# KiCad board jetson-nano-baseboard.kicad_pcb (continued)
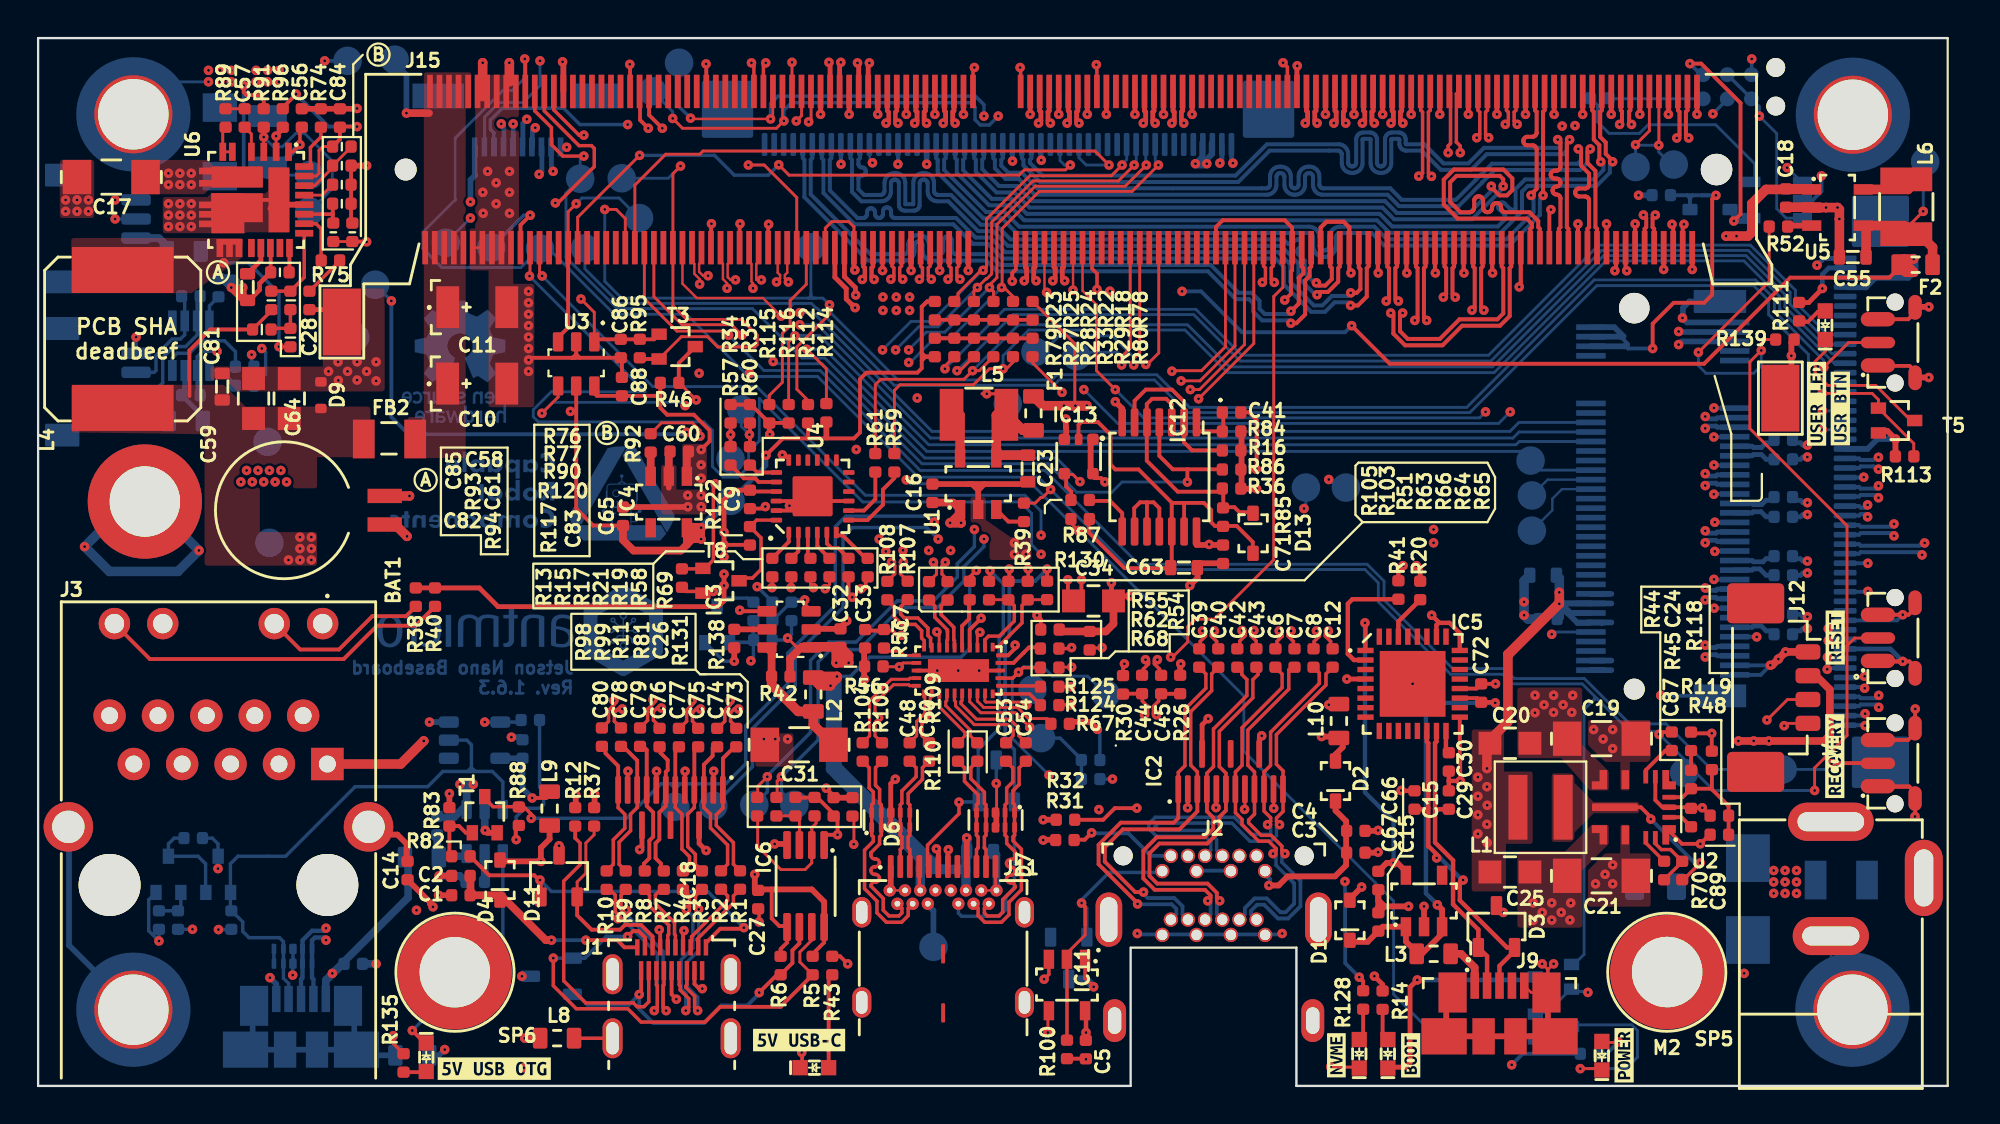
[diagram p0: board, top side]
## Placement (name value [footprint] x y rotation side) (continued)
R135  R_470R_0402  [R_0402_1005Metric]  19.18 1.21 270 top
R136  R_0R_0402  [R_0402_1005Metric]  20.94 13.67 270 bottom
R137  R_10k_0402  [R_0402_1005Metric]  38.54 24.91 90 bottom
R138  R_10k_0402  [R_0402_1005Metric]  36.54 23.48 270 top
R139  R_100k_0402  [R_0402_1005Metric]  91.68 39.18 0 top
REC1  -  [SW_TL3340AF160QG_SMD]  97.68 16.93 90 top
RST1  -  [SW_TL3340AF160QG_SMD]  97.68 23.51 90 top
SP1  -  [Spacer_Drill3.7mm_H6mm_9774060151R]  95.25 50.98 0 bottom
SP2  -  [Spacer_Drill3.7mm_H6mm_9774060151R]  95.23 4 0 bottom
SP3  -  [Spacer_Drill3.7mm_H6mm_9774060151R]  5 51 0 bottom
SP4  -  [Spacer_Drill3.7mm_H6mm_9774060151R]  5 4 0 bottom
SP5  -  [Spacer_Drill3.7mm_H6mm_9774060151R]  85.5 5.98 0 top
SP6  -  [Spacer_Drill3.7mm_H6mm_9774060151R]  21.87 5.97 0 top
SP7  -  [Spacer_Drill3.7mm_H4mm_9774040151R]  5.6 30.67 0 bottom
T1  BSS138PW  [SC70-3]  23.44 14.24 90 top
T2  BSS138PW  [SC70-3]  79.53 5.73 180 bottom
T3  BSS138PW  [SC70-3]  33.54 38.81 0 top
T4  BSS138PW  [SC70-3]  79.53 3.12 0 bottom
T5  BSS138PW  [SC70-3]  97.54 34.93 0 top
T6  BSS138PW  [SC70-3]  6.84 11.11 90 bottom
T7  BSS138PW  [SC70-3]  35.64 24.22 90 bottom
T8  BSS138PW  [SC70-3]  35.84 26.52 0 top
T9  BSS138PW  [SC70-3]  9.45 11.11 90 bottom
TP1  TP_1.5mm_SMD  [TP_SMD_1.5mm]  36.34 32.91 0 bottom
TP2  TP_1.5mm_SMD  [TP_SMD_1.5mm]  78.33 32.82 0 bottom
TP3  TP_1.5mm_SMD  [TP_SMD_1.5mm]  85.85 48.36 0 bottom
TP4  TP_1.5mm_SMD  [TP_SMD_1.5mm]  83.84 48.23 0 bottom
TP5  TP_1.5mm_SMD  [TP_SMD_1.5mm]  50.89 35.81 0 bottom
TP6  TP_1.5mm_SMD  [TP_SMD_1.5mm]  54.51 38.3 0 bottom
TP7  TP_1.5mm_SMD  [TP_SMD_1.5mm]  78.4 30.99 0 bottom
TP8  TP_1.5mm_SMD  [TP_SMD_1.5mm]  99.04 48.51 0 bottom
TP9  TP_1.5mm_SMD  [TP_SMD_1.5mm]  52.35 38.53 0 bottom
TP10  TP_1.5mm_SMD  [TP_SMD_1.5mm]  36.9 35.51 0 bottom
TP11  TP_1.5mm_SMD  [TP_SMD_1.5mm]  14.24 47.81 0 bottom
TP12  TP_1.5mm_SMD  [TP_SMD_1.5mm]  16.64 39.31 0 bottom
TP13  TP_1.5mm_SMD  [TP_SMD_1.5mm]  31.54 45.56 0 bottom
TP14  TP_1.5mm_SMD  [TP_SMD_1.5mm]  30.63 47.64 0 bottom
TP15  TP_1.5mm_SMD  [TP_SMD_1.5mm]  14.24 45.91 0 bottom
TP16  TP_1.5mm_SMD  [TP_SMD_1.5mm]  12.04 33.81 0 bottom
TP17  TP_1.5mm_SMD  [TP_SMD_1.5mm]  16.24 53.81 0 bottom
TP18  TP_1.5mm_SMD  [TP_SMD_1.5mm]  56.04 20.55 0 bottom
TP19  TP_1.5mm_SMD  [TP_SMD_1.5mm]  46.99 7.3 0 bottom
TP20  TP_1.5mm_SMD  [TP_SMD_1.5mm]  78.4 29.14 0 bottom
TP21  TP_1.5mm_SMD  [TP_SMD_1.5mm]  52.64 18.26 0 bottom
TP23  TP_1.5mm_SMD  [TP_SMD_1.5mm]  32.24 52.21 0 bottom
TP24  TP_1.5mm_SMD  [TP_SMD_1.5mm]  33.64 53.71 0 bottom
TP25  TP_1.5mm_SMD  [TP_SMD_1.5mm]  33.44 14.66 0 bottom
TP26  TP_1.5mm_SMD  [TP_SMD_1.5mm]  35.44 14.71 0 bottom
TP27  TP_1.5mm_SMD  [TP_SMD_1.5mm]  28.45 47.62 0 bottom
TP28  TP_1.5mm_SMD  [TP_SMD_1.5mm]  21.39 44.26 0 bottom
TP29  TP_1.5mm_SMD  [TP_SMD_1.5mm]  26.34 43.96 0 bottom
TP30  -  [Tag-Connect_TC2030-IDC-NL_2x3_P1.27mm]  87.39 53.08 0 bottom
TP31  TP_1.5mm_SMD  [TP_SMD_1.5mm]  23.79 44.01 0 bottom
TP32  TP_1.5mm_SMD  [TP_SMD_1.5mm]  52.19 20.81 0 bottom
TP33  TP_1.5mm_SMD  [TP_SMD_1.5mm]  37.59 14.76 0 bottom
TP34  TP_1.5mm_SMD  [TP_SMD_1.5mm]  39.69 14.76 0 bottom
TP35  TP_1.5mm_SMD  [TP_SMD_1.5mm]  28.7 43.97 0 bottom
TP36  TP_1.5mm_SMD  [TP_SMD_1.5mm]  40.56 44.02 0 bottom
TP37  TP_1.5mm_SMD  [TP_SMD_1.5mm]  86.39 16.44 0 bottom
TP38  TP_1.5mm_SMD  [TP_SMD_1.5mm]  18.72 53.87 0 bottom
TP39  TP_1.5mm_SMD  [TP_SMD_1.5mm]  91.56 16.61 0 bottom
TP40  TP_1.5mm_SMD  [TP_SMD_1.5mm]  17.69 42.06 0 bottom
TP41  TP_1.5mm_SMD  [TP_SMD_1.5mm]  12.14 28.51 0 bottom
TP42  TP_1.5mm_SMD  [TP_SMD_1.5mm]  66.54 31.41 0 bottom
TP44  TP_1.5mm_SMD  [TP_SMD_1.5mm]  68.64 31.41 0 bottom
TP47  TP_1.5mm_SMD  [TP_SMD_1.5mm]  36.34 30.71 0 bottom
U1  LM3671MF-3.3_SOT  [SOT-23-5]  49.34 31.61 90 top
U2  LM62440-Q1  [VQFN-HR-14_3.5x4mm]  83.75 14.63 180 top
U3  SN74LXC1T45DBVR  [SOT-23-6]  28.24 37.96 180 top
U4  PCA9547_VQFN  [VQFN-24-1EP_3.8x3.8x1.0mm_P0.5mm]  40.65 30.95 90 top
U5  LM3671MF-3.3_SOT  [SOT-23-5]  94.44 46.11 0 top
U6  SIC477ED-T1-GE3  [SIC47XED-T1-GE3]  11.44 46.51 270 top
U7  MAX3051EKA  [SOT-23-8]  8.02 38.85 90 bottom
U8  74LVC1G07_SOT-753  [SOT-753]  22.91 18.15 90 bottom
USER1  LED_G_0603_LG_L29K-G2J1-24-Z  [LED_0603_1608Metric_G]  93.8 39.93 270 top
USR1  -  [SW_TL3340AF160QG_SMD]  97.68 39.02 90 top

## Library data of the parts
BAT1 = -: Author: Antmicro; License: Apache-2.0; MPN: MS621FE-FL11E; Manufacturer: Seiko Instruments; Field9: License: Apache-2.0; Field10: Author: Antmicro
BOOT1 USER1 = -: Author: Antmicro; License: Apache-2.0; MPN: LG L29K-G2J1-24-Z; Manufacturer: OSRAM; Field8: License: Apache-2.0; Field9: Author: Antmicro
C1 = -: Author: Antmicro; License: Apache-2.0; MPN: GRM155R61A475MEAAD; Manufacturer: Murata; Val: 4u7; Field12: Author: Antmicro; Field13: License: Apache-2.0
C2 C62 = -: Author: Antmicro; License: Apache-2.0; MPN: GRM155R61A475MEAAD; Manufacturer: Murata; Val: 4u7; Field11: Author: Antmicro; Field13: License: Apache-2.0
C3 = -: Author: Antmicro; License: Apache-2.0; MPN: GRM155R61A475MEAAD; Manufacturer: Murata; Val: 4u7; Field11: Author: Antmicro; Field12: License: Apache-2.0
C4 = -: Author: Antmicro; License: Apache-2.0; MPN: GRM155R61A475MEAAD; Manufacturer: Murata; Val: 4u7; Field11: License: Apache-2.0; Field12: Author: Antmicro
C5 C9 C26 C33 C38 C48 C49 C51 C68 C71 C78 C88 C90 = -: Author: Antmicro; Dielectric: X5R; License: Apache-2.0; MPN: GRM155R61H104KE14D; Manufacturer: Murata; Val: 100n; Voltage: 50V; Field11: Author: Antmicro; Field12: License: Apache-2.0
C6 C7 C30 C36 C43 C45 C52 C53 C74 C79 = -: Author: Antmicro; Dielectric: X5R; License: Apache-2.0; MPN: GRM155R61H104KE14D; Manufacturer: Murata; Val: 100n; Voltage: 50V; Field12: License: Apache-2.0; Field13: Author: Antmicro
C8 C13 C50 C86 C89 = -: Author: Antmicro; Dielectric: X5R; License: Apache-2.0; MPN: GRM155R61H104KE14D; Manufacturer: Murata; Val: 100n; Voltage: 50V; Field11: License: Apache-2.0; Field12: Author: Antmicro
C10 = -: Author: Antmicro; License: Apache-2.0; MPN: T520B337M006ATE040; Manufacturer: KEMET; Val: 330u; Voltage: 6.3V; Field11: Author: Antmicro; Field12: License: Apache-2.0
C11 = -: Author: Antmicro; License: Apache-2.0; MPN: T520B337M006ATE040; Manufacturer: KEMET; Val: 330u; Voltage: 6.3V; Field11: License: Apache-2.0; Field12: Author: Antmicro
C12 C42 C44 C54 C70 = -: Author: Antmicro; Dielectric: X5R; License: Apache-2.0; MPN: GRM155R61H104KE14D; Manufacturer: Murata; Val: 100n; Voltage: 50V; Field11: License: Apache-2.0; Field13: Author: Antmicro
C14 = -: Author: Antmicro; Dielectric: C0G; License: Apache-2.0; MPN: GCM1555C1H101JA16D; Manufacturer: Murata; Val: 100p; Voltage: 50V; Field11: Author: Antmicro; Field12: License: Apache-2.0
C15 = -: Author: Antmicro; Dielectric: C0G; License: Apache-2.0; MPN: C0402C470J5GACTU; Manufacturer: KEMET; Val: 47p; Field11: Author: Antmicro; Field12: License: Apache-2.0
C16 = -: Author: Antmicro; License: Apache-2.0; MPN: C1005X5R1A225K050BC; Manufacturer: TDK; Val: 2u2; Field11: Author: Antmicro; Field12: License: Apache-2.0
C17 = -: Author: Antmicro; License: Apache-2.0; MPN: C3216X7R1H106K160AE; Manufacturer: TDK; Val: 10u; Voltage: 50V; Field11: Author: Antmicro; Field13: License: Apache-2.0
C18 = -: Author: Antmicro; License: Apache-2.0; MPN: C1005X5R1A225K050BC; Manufacturer: TDK; Val: 2u2; Field12: License: Apache-2.0; Field13: Author: Antmicro
C19 = -: Author: Antmicro; License: Apache-2.0; MPN: C3216X7R1H106K160AE; Manufacturer: TDK; Val: 10u; Voltage: 50V; Field11: License: Apache-2.0; Field12: Author: Antmicro
C20 = -: Author: Antmicro; License: Apache-2.0; MPN: C0805C476M9PACTU; Manufacturer: KEMET; Val: 47u; Field11: License: Apache-2.0; Field13: Author: Antmicro
C21 = -: Author: Antmicro; License: Apache-2.0; MPN: C3216X7R1H106K160AE; Manufacturer: TDK; Val: 10u; Voltage: 50V; Field12: License: Apache-2.0; Field13: Author: Antmicro
C22 = -: Author: Antmicro; License: Apache-2.0; MPN: C3216X7R1H106K160AE; Manufacturer: TDK; Val: 10u; Voltage: 50V; Field11: License: Apache-2.0; Field13: Author: Antmicro
C23 C35 = -: Author: Antmicro; License: Apache-2.0; MPN: GRM188R61A106KE69D; Manufacturer: Murata; Val: 10u; Field11: Author: Antmicro; Field13: License: Apache-2.0
C24 = -: Author: Antmicro; DNP: DNP; License: Apache-2.0; MPN: 0402N6R0D500CT; Manufacturer: Walsin; Val: 6p; Field12: Author: Antmicro; Field13: License: Apache-2.0
C25 = -: Author: Antmicro; License: Apache-2.0; MPN: 160R15X106KV4E; Manufacturer: Johanson Technology; Val: 10u; Field11: License: Apache-2.0; Field13: Author: Antmicro
C27 C46 C69 C72 C76 C77 C80 C83 = -: Author: Antmicro; Dielectric: X5R; License: Apache-2.0; MPN: GRM155R61H104KE14D; Manufacturer: Murata; Val: 100n; Voltage: 50V; Field12: Author: Antmicro; Field13: License: Apache-2.0
C28 = -: Author: Antmicro; DNP: DNP; License: Apache-2.0; MPN: C0402C271J3GAC7867; Manufacturer: KEMET; Val: 270p; Voltage: 25V; Field12: License: Apache-2.0; Field13: Author: Antmicro
C29 = -: Author: Antmicro; Dielectric: C0G; License: Apache-2.0; MPN: C0402C470J5GACTU; Manufacturer: KEMET; Val: 47p; Field11: License: Apache-2.0; Field13: Author: Antmicro
C31 = -: Author: Antmicro; License: Apache-2.0; MPN: GRM31CR60J107MEA8K; Manufacturer: Murata; Val: 100u; Field12: License: Apache-2.0; Field13: Author: Antmicro
C32 = -: Author: Antmicro; License: Apache-2.0; MPN: CC0402MRX5R5BB106; Manufacturer: YAGEO; Val: 10u; Field11: License: Apache-2.0; Field12: Author: Antmicro
C34 = -: Author: Antmicro; License: Apache-2.0; MPN: C0805C476M9PACTU; Manufacturer: KEMET; Val: 47u; Field12: Author: Antmicro; Field13: License: Apache-2.0
C37 C39 C40 C57 C73 C75 = -: Author: Antmicro; Dielectric: X5R; License: Apache-2.0; MPN: GRM155R61H104KE14D; Manufacturer: Murata; Val: 100n; Voltage: 50V; Field11: Author: Antmicro; Field13: License: Apache-2.0
C41 = -: Author: Antmicro; License: Apache-2.0; MPN: GRM155R61H474KE11D; Manufacturer: Murata; Val: 47n; Field11: License: Apache-2.0; Field13: Author: Antmicro
C47 C55 C63 = -: Author: Antmicro; License: Apache-2.0; MPN: GRM188R61A106KE69D; Manufacturer: Murata; Val: 10u; Field12: Author: Antmicro; Field13: License: Apache-2.0
C56 = -: Author: Antmicro; License: Apache-2.0; MPN: GRM155R71H104KE14D; Manufacturer: Murata; Val: 100n; Voltage: 50V; Field11: License: Apache-2.0; Field12: Author: Antmicro
C58 = -: Author: Antmicro; License: Apache-2.0; MPN: GCM155R71E333KA55D; Manufacturer: Murata; Val: 33n; Field12: Author: Antmicro; Field13: License: Apache-2.0
C59 = -: Author: Antmicro; License: Apache-2.0; MPN: C0805C476M9PACTU; Manufacturer: KEMET; Val: 47u; Field11: Author: Antmicro; Field12: License: Apache-2.0
C60 = -: Author: Antmicro; License: Apache-2.0; MPN: C1005X5R1A225K050BC; Manufacturer: TDK; Val: 2u2; Field11: Author: Antmicro; Field13: License: Apache-2.0
C61 = -: Author: Antmicro; DNP: DNP; License: Apache-2.0; MPN: GCM155R71H122KA37D; Manufacturer: Murata; Val: 1n2; Voltage: 50V; Field12: License: Apache-2.0; Field14: Author: Antmicro
C64 = -: Author: Antmicro; License: Apache-2.0; MPN: C0805C476M9PACTU; Manufacturer: KEMET; Val: 47u; Field12: License: Apache-2.0; Field13: Author: Antmicro
C65 C66 C84 = -: Author: Antmicro; License: Apache-2.0; MPN: C1005X6S1A105K050BC; Manufacturer: TDK; Val: 1u; Field11: License: Apache-2.0; Field12: Author: Antmicro
C67 = -: Author: Antmicro; License: Apache-2.0; MPN: C1005X5R1A225K050BC; Manufacturer: TDK; Val: 2u2; Field12: Author: Antmicro; Field13: License: Apache-2.0
C81 = -: Author: Antmicro; License: Apache-2.0; MPN: GRM188R61A106KE69D; Manufacturer: Murata; Val: 10u; Field11: License: Apache-2.0; Field12: Author: Antmicro
C82 = -: Author: Antmicro; DNP: DNP; License: Apache-2.0; MPN: GCM155R71H122KA37D; Manufacturer: Murata; Val: 1n2; Voltage: 50V; Field12: License: Apache-2.0; Field13: Author: Antmicro
C85 = -: Author: Antmicro; License: Apache-2.0; MPN: C1608X5R1V475M080AC; Manufacturer: TDK; Val: 4u7; Field11: License: Apache-2.0; Field12: Author: Antmicro
C87 = -: Author: Antmicro; License: Apache-2.0; MPN: C1005X6S1A105K050BC; Manufacturer: TDK; Val: 1u; Field12: License: Apache-2.0; Field13: Author: Antmicro
D1 = -: Author: Antmicro; License: Apache-2.0; MPN: ESD5B5.0ST1G; Manufacturer: ON Semiconductor; Field8: Apache-2.0 License; Field9: Author: Antmicro; Field10: License: Apache-2.0; Field12: Copyright (c) 2023 Antmicro
D2 D15 = -: Description: Small Signal Fast Switching Diode; Author: Antmicro; License: Apache-2.0; Manufacturer: ON Semiconductor; Field8: License: Apache-2.0; Field10: Author: Antmicro
D3 = -: Author: Antmicro; License: Apache-2.0; Manufacturer: Nexperia; Field8: License: Apache-2.0; Field9: Author: Antmicro
D4 = -: Description: Small Signal Fast Switching Diode; Author: Antmicro; License: Apache-2.0; Manufacturer: ON Semiconductor; Field8: Author: Antmicro; Field10: License: Apache-2.0
D5 = -: Author: Antmicro; License: Apache-2.0; Manufacturer: Nexperia; Field8: Author: Antmicro; Field10: License: Apache-2.0
D6 = -: Description: Low-Capacitance 4-Channel ESD-Protection for High-Speed Data Interfaces USON-10; Author: Antmicro; License: Apache-2.0; Manufacturer: Texas Instruments; Field8: Author: Antmicro; Field9: License: Apache-2.0
D7 = -: Description: Low-Capacitance 4-Channel ESD-Protection for High-Speed Data Interfaces USON-10; Author: Antmicro; License: Apache-2.0; Manufacturer: Texas Instruments; Field8: Author: Antmicro; Field10: License: Apache-2.0
D8 = -: Description: Low-Capacitance 4-Channel ESD-Protection for High-Speed Data Interfaces USON-10; Author: Antmicro; License: Apache-2.0; Manufacturer: Texas Instruments; Field8: License: Apache-2.0; Field10: Author: Antmicro
D9 = -: Author: Antmicro; License: Apache-2.0; MPN: ESD5B5.0ST1G; Manufacturer: ON Semiconductor; Field8: Apache-2.0 License; Field9: Copyright (c) 2023 Antmicro; Field10: License: Apache-2.0; Field12: Author: Antmicro
D10 D12 = -: Author: Antmicro; License: Apache-2.0; Manufacturer: Nexperia; Field8: Author: Antmicro; Field9: License: Apache-2.0
D11 = -: Author: Antmicro; License: Apache-2.0; Manufacturer: Nexperia; Field8: License: Apache-2.0; Field10: Author: Antmicro
D13 = -: Description: Small Signal Fast Switching Diode; Author: Antmicro; License: Apache-2.0; Manufacturer: ON Semiconductor; Field9: Author: Antmicro; Field10: License: Apache-2.0
D14 = -: Description: 33V ESD ESD Suppressors / TVS Diodes 600W; Author: Antmicro; License: Apache-2.0; Manufacturer: Littelfuse; Field8: Author: Antmicro; Field9: License: Apache-2.0
D17 = -: Description: Small Signal Fast Switching Diode; Author: Antmicro; License: Apache-2.0; Manufacturer: ON Semiconductor; Field8: License: Apache-2.0; Field9: Author: Antmicro
F1 = -: Description: 1.25 A 65 V DC Fuse 0603; Author: Antmicro; License: Apache-2.0; MPN: 04671.25NR; Manufacturer: Littelfuse; Field8: License: Apache-2.0; Field9: Author: Antmicro
F2 = -: Description: 1.25 A 65 V DC Fuse 0603; Author: Antmicro; License: Apache-2.0; MPN: 04671.25NR; Manufacturer: Littelfuse; Field9: Author: Antmicro; Field10: License: Apache-2.0
F3 = -: Description: Surface Mount Fuses UST 1206 FUSE 12A; Author: Antmicro; License: Apache-2.0; MPN: 3413.0329.22; Manufacturer: Schurter; Field9: License: Apache-2.0; Field10: Author: Antmicro
F4 = -: Description: 1.25 A 65 V DC Fuse 0603; Author: Antmicro; License: Apache-2.0; MPN: 04671.25NR; Manufacturer: Littelfuse; Field8: Author: Antmicro; Field9: License: Apache-2.0
F5 = -: Description: 1.25 A 65 V DC Fuse 0603; Author: Antmicro; License: Apache-2.0; MPN: 04671.25NR; Manufacturer: Littelfuse; Field9: License: Apache-2.0; Field10: Author: Antmicro
FB1 = -: Description: Ferrite Beads WE-MPSB 1206 100MHz 10Ohm 10.5A AECQ2; Author: Antmicro; License: Apache-2.0; MPN: 74279221100; Manufacturer: Würth Elektronik; Field8: Author: Antmicro; Field9: License: Apache-2.0
FB2 = -: Description: Ferrite Beads WE-MPSB 1206 100MHz 10Ohm 10.5A AECQ2; Author: Antmicro; License: Apache-2.0; MPN: 74279221100; Manufacturer: Würth Elektronik; Field8: License: Apache-2.0; Field9: Author: Antmicro
FB3 = -: Description: Ferrite Beads WE-TMSB Suppression 240Ohm 200mA; Author: Antmicro; License: Apache-2.0; MPN: 74279220181; Manufacturer: Würth Elektronik; Field9: License: Apache-2.0; Field10: Author: Antmicro
IC1 = -: Description: Adjustable Current‐Limiting Power‐Distribution Switch; Author: Antmicro; License: Apache-2.0; Manufacturer: ON Semiconductor; Field8: Author: Antmicro; Field10: License: Apache-2.0
IC2 = -: Author: Antmicro; License: Apache-2.0; Manufacturer: Texas Instruments; Field9: Author: Antmicro; Field11: License: Apache-2.0
IC3 = -: Description: Adjustable Current‐Limiting Power‐Distribution Switch; Author: Antmicro; License: Apache-2.0; Manufacturer: ON Semiconductor; Field9: Author: Antmicro; Field10: License: Apache-2.0
IC4 = -: Author: Antmicro; License: Apache-2.0; MPN: TPS7A0518PDBVT; Manufacturer: Texas Instruments; Field9: License: Apache-2.0; Field10: Author: Antmicro
IC5 = -: Author: Antmicro; License: Apache-2.0; MPN: FT232RQ-REEL; Manufacturer: FTDI Chip; PartNumber: FT232RQ; Field9: Author: Antmicro; Field10: License: Apache-2.0
IC6 = -: Description: Level translating I2C-bus repeater; Author: Antmicro; License: Apache-2.0; Manufacturer: NXP; Field9: Author: Antmicro; Field10: License: Apache-2.0
IC7 = -: Description: USB Type-C DRP Port Controller with SuperSpeed 2:1 MUX; Author: Antmicro; License: Apache-2.0; MPN: HD3SS3220RNHT; Manufacturer: Texas Instruments; Field8: Author: Antmicro; Field10: License: Apache-2.0
IC11 = -: Author: Antmicro; License: Apache-2.0; Manufacturer: Texas Instruments; Field8: Author: Antmicro; Field10: License: Apache-2.0
IC12 = -: Description: Quad 2-input NAND gate; Author: Antmicro; License: Apache-2.0; MPN: 74HC00PW,118; Manufacturer: Nexperia; Field8: License: Apache-2.0; Field9: Author: Antmicro
IC13 = -: Description: Single 1.65-V to 5.5-V buffer with 3-state outputs; Author: Antmicro; License: Apache-2.0; MPN: SN74LVC1G126DCKR; Manufacturer: Texas Instruments; Field8: License: Apache-2.0; Field9: Author: Antmicro
IC15 = -: Author: Antmicro; License: Apache-2.0; MPN: TPS7A0518PDBVT; Manufacturer: Texas Instruments; Field8: Author: Antmicro; Field9: License: Apache-2.0
IC17 = -: Description: SOT-23-5; Author: Antmicro; License: Apache-2.0; MPN: AT24CS01-ST; Manufacturer: Atmel; Field8: Author: Antmicro; Field9: License: Apache-2.0
IC18 = -: Author: Antmicro; License: Apache-2.0; Manufacturer: Texas Instruments; Field9: License: Apache-2.0; Field11: Author: Antmicro
J1 = -: Description: Micro HDMI Connector, Right-Angle Receptacle; Author: Antmicro; License: Apache-2.0; MPN: 467651001; Manufacturer: Molex; Field8: PCB edge; Field9: KEEPOUT; Field10: License: Apache-2.0; Field12: Author: Antmicro
J2 = -: Author: Antmicro; License: Apache-2.0; MPN: 2129320-3; Manufacturer: TE Connectivity; Field8: License: Apache-2.0; Field9: Author: Antmicro
J3 = -: Description: Modular connector with magnetics; Author: Antmicro; License: Apache-2.0; MPN: SI-51005-F; Manufacturer: Bel Fuse; Field8: License: Apache-2.0; Field10: Author: Antmicro
J4 = -: Description: DC Power Connector, Jack, 4 A, 1.95 mm, PCB Mount, Through Hole; Author: Antmicro; License: Apache-2.0; MPN: MJ-179PH; Manufacturer: Multicomp Pro; Field8: License: Apache-2.0; Field10: Author: Antmicro
J5 = -: Author: Antmicro; License: Apache-2.0; MPN: 473460001; Manufacturer: Molex; Field8: Author: Antmicro; Field9: License: Apache-2.0
J6 = -: Description: FFC connector; Author: Antmicro; License: Apache-2.0; MPN: 68715014522; Manufacturer: Würth Elektronik; VSD_Class: Antmicro Dual Camera interface; Field10: Author: Antmicro; Field11: License: Apache-2.0
J7 = -: Description: FFC connector; Author: Antmicro; License: Apache-2.0; MPN: 68715014022; Manufacturer: Würth Elektronik; Field9: Author: Antmicro; Field10: License: Apache-2.0
J8 = -: Description: PCI Express / PCI Connectors M.2 RA M Key 5.80H; Author: Antmicro; License: Apache-2.0; MPN: MDT580M01001; Manufacturer: Amphenol; Field8: Author: Antmicro; Field10: License: Apache-2.0
J9 = -: Author: Antmicro; License: Apache-2.0; MPN: 473460001; Manufacturer: Molex; Field8: License: Apache-2.0; Field9: Author: Antmicro
J10 = -: Author: Antmicro; License: Apache-2.0; MPN: 5051101097; Manufacturer: Molex; Field8: Author: Antmicro; Field10: License: Apache-2.0
J11 = -: Author: Antmicro; License: Apache-2.0; MPN: 632723300011; Manufacturer: Würth Elektronik; Field8: License: Apache-2.0; Field9: Author: Antmicro
J12 = -: Description: Connector Header Surface Mount 4 position 0.049" (1.25mm); Author: Antmicro; License: Apache-2.0; MPN: 0533980471; Manufacturer: Molex; Field8: Author: Antmicro; Field10: License: Apache-2.0
J13 J14 = -: Description: Connector Header Surface Mount Horizontal 4 position 0.039" (1.00mm); Author: Antmicro; License: Apache-2.0; MPN: SM04B-SRSS-TB(LF)(SN); Manufacturer: JST Automotive Connectors; Field8: Author: Antmicro; Field10: License: Apache-2.0
J15 = -: Description: SoM connector; Author: Antmicro; License: Apache-2.0; MPN: 2309413-1; Manufacturer: TE Connectivity; PartSymbol: 2309413-1; Field9: Author: Antmicro; Field10: License: Apache-2.0
L1 = -: Author: Antmicro; Imax: 8A; Isat: 3.7A; License: Apache-2.0; MPN: XFL4020-222MEC; Manufacturer: Coilcraft; MaxCur: 6A; Size: 4.0x4.0; Val: 2u2/8A; Field14: License: Apache-2.0; Field15: Author: Antmicro
L2 L10 = -: Author: Antmicro; License: Apache-2.0; MPN: BLM18SG121TN1D; Manufacturer: Murata; Field8: Author: Antmicro; Field9: License: Apache-2.0
L3 L9 = -: Author: Antmicro; License: Apache-2.0; MPN: BLM18SG121TN1D; Manufacturer: Murata; Field9: Author: Antmicro; Field10: License: Apache-2.0
L4 = -: Author: Antmicro; IMax: 9.2 A; ISat: 20 A; License: Apache-2.0; MPN: IHLP3232DZER3R3M01; Manufacturer: Vishay; MaxCur: 9.2A; Size: 8.64x8.18; Val: 3u3/9.2A; Field13: REF**; Field14: Author: Antmicro; Field16: License: Apache-2.0
L5 L6 = -: Author: Antmicro; IMax: 1.6 A; License: Apache-2.0; MPN: LQH32PN2R2NN0L; Manufacturer: Murata; Size: 3.2x2.5; Val: 2u2/1.6A; Field13: Author: Antmicro; Field14: License: Apache-2.0
L7 L8 = -: Author: Antmicro; License: Apache-2.0; MPN: BLM18SG121TN1D; Manufacturer: Murata; Field8: License: Apache-2.0; Field9: Author: Antmicro
L11 = -: Author: Antmicro; License: Apache-2.0; MPN: BLM18SG121TN1D; Manufacturer: Murata; Field8: License: Apache-2.0; Field10: Author: Antmicro
LED1 = -: Author: Antmicro; License: Apache-2.0; MPN: LG L29K-G2J1-24-Z; Manufacturer: OSRAM; Field8: License: Apache-2.0; Field10: Author: Antmicro
LED2 PWR1 = -: Author: Antmicro; License: Apache-2.0; MPN: LG L29K-G2J1-24-Z; Manufacturer: OSRAM; Field9: License: Apache-2.0; Field10: Author: Antmicro
M2 = -: Author: Antmicro; License: Apache-2.0; MPN: 945-13541-0000-0000; Manufacturer: Nvidia; Field8: Author: Antmicro; Field10: License: Apache-2.0
N1 = -: Author: Antmicro; License: Apache-2.0; Field7: Author: Antmicro; Field8: License: Apache-2.0
N2 N3 = -: Author: Antmicro; License: Apache-2.0; Field8: License: Apache-2.0; Field9: Author: Antmicro
NVME1 = -: Author: Antmicro; License: Apache-2.0; MPN: LG L29K-G2J1-24-Z; Manufacturer: OSRAM; Field8: Author: Antmicro; Field9: License: Apache-2.0
R1 = -: Description: 5R6 resistor in 0402 package with 1% tolerance; Author: Antmicro; License: Apache-2.0; MPN: CR0402-FX-5R60GLF; Manufacturer: Bourns; Tolerance: 1%; Val: 5R6; Field10: Author: Antmicro; Field11: License: Apache-2.0
R2 = -: Description: 5R6 resistor in 0402 package with 1% tolerance; Author: Antmicro; License: Apache-2.0; MPN: CR0402-FX-5R60GLF; Manufacturer: Bourns; Tolerance: 1%; Val: 5R6; Field11: Author: Antmicro; Field12: License: Apache-2.0
R3 R4 R10 = -: Description: 5R6 resistor in 0402 package with 1% tolerance; Author: Antmicro; License: Apache-2.0; MPN: CR0402-FX-5R60GLF; Manufacturer: Bourns; Tolerance: 1%; Val: 5R6; Field10: License: Apache-2.0; Field12: Author: Antmicro
R5 R18 R22 R88 = -: Description: 2k resistor in 0402 package with 1% tolerance; Author: Antmicro; License: Apache-2.0; MPN: CR0402-FX-2001GLF; Manufacturer: Bourns; Tolerance: 1%; Val: 2k; Field11: License: Apache-2.0; Field12: Author: Antmicro
R6 R25 R33 R73 = -: Description: 2k resistor in 0402 package with 1% tolerance; Author: Antmicro; License: Apache-2.0; MPN: CR0402-FX-2001GLF; Manufacturer: Bourns; Tolerance: 1%; Val: 2k; Field10: Author: Antmicro; Field12: License: Apache-2.0
R7 R9 = -: Description: 5R6 resistor in 0402 package with 1% tolerance; Author: Antmicro; License: Apache-2.0; MPN: CR0402-FX-5R60GLF; Manufacturer: Bourns; Tolerance: 1%; Val: 5R6; Field11: License: Apache-2.0; Field12: Author: Antmicro
R8 = -: Description: 5R6 resistor in 0402 package with 1% tolerance; Author: Antmicro; License: Apache-2.0; MPN: CR0402-FX-5R60GLF; Manufacturer: Bourns; Tolerance: 1%; Val: 5R6; Field10: Author: Antmicro; Field12: License: Apache-2.0
R11 R28 R55 R74 = -: Description: 2k resistor in 0402 package with 1% tolerance; Author: Antmicro; License: Apache-2.0; MPN: CR0402-FX-2001GLF; Manufacturer: Bourns; Tolerance: 1%; Val: 2k; Field10: Author: Antmicro; Field11: License: Apache-2.0
R12 R42 R136 = -: Description: 0R resistor in 0402 package with unspecified tolerance; Author: Antmicro; Current: 1A; DNP: DNP; License: Apache-2.0; MPN: ERJ2GE0R00X; Manufacturer: Panasonic; Val: 0R; Field12: Author: Antmicro; Field13: License: Apache-2.0
R13 R15 R57 R71 R93 R105 R110 R132 = -: Description: 0R resistor in 0402 package with unspecified tolerance; Author: Antmicro; Current: 1A; License: Apache-2.0; MPN: ERJ2GE0R00X; Manufacturer: Panasonic; Val: 0R; Field11: Author: Antmicro; Field13: License: Apache-2.0
R14 R43 = -: Description: 470R resistor in 0402 package with 1% tolerance; Author: Antmicro; License: Apache-2.0; MPN: CR0402-FX-4700GLF; Manufacturer: Bourns; Tolerance: 1%; Val: 470R; Field10: License: Apache-2.0; Field12: Author: Antmicro
R16 = -: Description: 1k resistor in 0402 package with 1% tolerance; Author: Antmicro; License: Apache-2.0; MPN: CR0402-FX-1001GLF; Manufacturer: Bourns; Tolerance: 1%; Val: 1k; Field10: License: Apache-2.0; Field11: Author: Antmicro
R17 R21 R63 R76 R106 = -: Description: 0R resistor in 0402 package with unspecified tolerance; Author: Antmicro; Current: 1A; License: Apache-2.0; MPN: ERJ2GE0R00X; Manufacturer: Panasonic; Val: 0R; Field11: License: Apache-2.0; Field13: Author: Antmicro
R19 R58 R92 R98 R101 R104 R107 = -: Description: 0R resistor in 0402 package with unspecified tolerance; Author: Antmicro; Current: 1A; License: Apache-2.0; MPN: ERJ2GE0R00X; Manufacturer: Panasonic; Val: 0R; Field11: License: Apache-2.0; Field12: Author: Antmicro
R20 = -: Description: 22R resistor in 0402 package with 1% tolerance; Author: Antmicro; License: Apache-2.0; MPN: CR0402-FX-22R0GLF; Manufacturer: Bourns; Tolerance: 1%; Val: 22R; Field11: Author: Antmicro; Field12: License: Apache-2.0
R23 R64 R79 = -: Description: 0R resistor in 0402 package with unspecified tolerance; Author: Antmicro; Current: 1A; DNP: DNP; License: Apache-2.0; MPN: ERJ2GE0R00X; Manufacturer: Panasonic; Val: 0R; Field12: Author: Antmicro; Field14: License: Apache-2.0
R24 R29 R34 = -: Description: 2k resistor in 0402 package with 1% tolerance; Author: Antmicro; License: Apache-2.0; MPN: CR0402-FX-2001GLF; Manufacturer: Bourns; Tolerance: 1%; Val: 2k; Field10: License: Apache-2.0; Field12: Author: Antmicro
R26 R112 = -: Description: 100k resistor in 0402 package with 1% tolerance; Author: Antmicro; License: Apache-2.0; MPN: CR0402-FX-1003GLF; Manufacturer: Bourns; Tolerance: 1%; Val: 100k; Field10: License: Apache-2.0; Field12: Author: Antmicro
R27 R81 R83 = -: Description: 2k resistor in 0402 package with 1% tolerance; Author: Antmicro; License: Apache-2.0; MPN: CR0402-FX-2001GLF; Manufacturer: Bourns; Tolerance: 1%; Val: 2k; Field10: License: Apache-2.0; Field11: Author: Antmicro
R30 R47 R96 = -: Description: 100k resistor in 0402 package with 1% tolerance; Author: Antmicro; License: Apache-2.0; MPN: CR0402-FX-1003GLF; Manufacturer: Bourns; Tolerance: 1%; Val: 100k; Field11: License: Apache-2.0; Field12: Author: Antmicro
R31 = -: Description: 1M resistor in 0402 package with 1% tolerance; Author: Antmicro; License: Apache-2.0; MPN: CR0402-FX-1004GLF; Manufacturer: Bourns; Tolerance: 1%; Val: 1M; Field11: License: Apache-2.0; Field12: Author: Antmicro
R32 = -: Description: 1M resistor in 0402 package with 1% tolerance; Author: Antmicro; License: Apache-2.0; MPN: CR0402-FX-1004GLF; Manufacturer: Bourns; Tolerance: 1%; Val: 1M; Field10: License: Apache-2.0; Field11: Author: Antmicro
R35 = -: Description: 2k resistor in 0402 package with 1% tolerance; Author: Antmicro; License: Apache-2.0; MPN: CR0402-FX-2001GLF; Manufacturer: Bourns; Tolerance: 1%; Val: 2k; Field11: Author: Antmicro; Field12: License: Apache-2.0
R36 = -: Description: 1k resistor in 0402 package with 1% tolerance; Author: Antmicro; License: Apache-2.0; MPN: CR0402-FX-1001GLF; Manufacturer: Bourns; Tolerance: 1%; Val: 1k; Field10: Author: Antmicro; Field11: License: Apache-2.0
R37 = -: Description: 2k resistor in 0402 package with 1% tolerance; Author: Antmicro; DNP: DNP; License: Apache-2.0; MPN: CR0402-FX-2001GLF; Manufacturer: Bourns; Tolerance: 1%; Val: 2k; Field11: Author: Antmicro; Field13: License: Apache-2.0
R38 = -: Description: 220R resistor in 0402 package with 1% tolerance; Author: Antmicro; License: Apache-2.0; MPN: CR0402-FX-2200GLF; Manufacturer: Bourns; Tolerance: 1%; Val: 220R; Field11: Author: Antmicro; Field12: License: Apache-2.0
R39 R44 = -: Description: 10k resistor in 0402 package with 1% tolerance; Author: Antmicro; License: Apache-2.0; MPN: CR0402-FX-1002GLF; Manufacturer: Bourns; Tolerance: 1%; Val: 10k; Field11: License: Apache-2.0; Field12: Author: Antmicro
